# Altium PCB radxa_cm4_io_v1.10.PcbDoc (part 3 of 8)
Units mil, origin at the board's own origin, x right, y up, seen from the top; angles counter-clockwise.
Board outline 6299.62 x 3544.12 mil, 4 copper layers (Top, GND, Power, Bottom), stack 35.4 mil thick; 509 components, 417 nets, 1867 pads, 2150 vias.
Unrouted connection lines stored in the file: 1451.
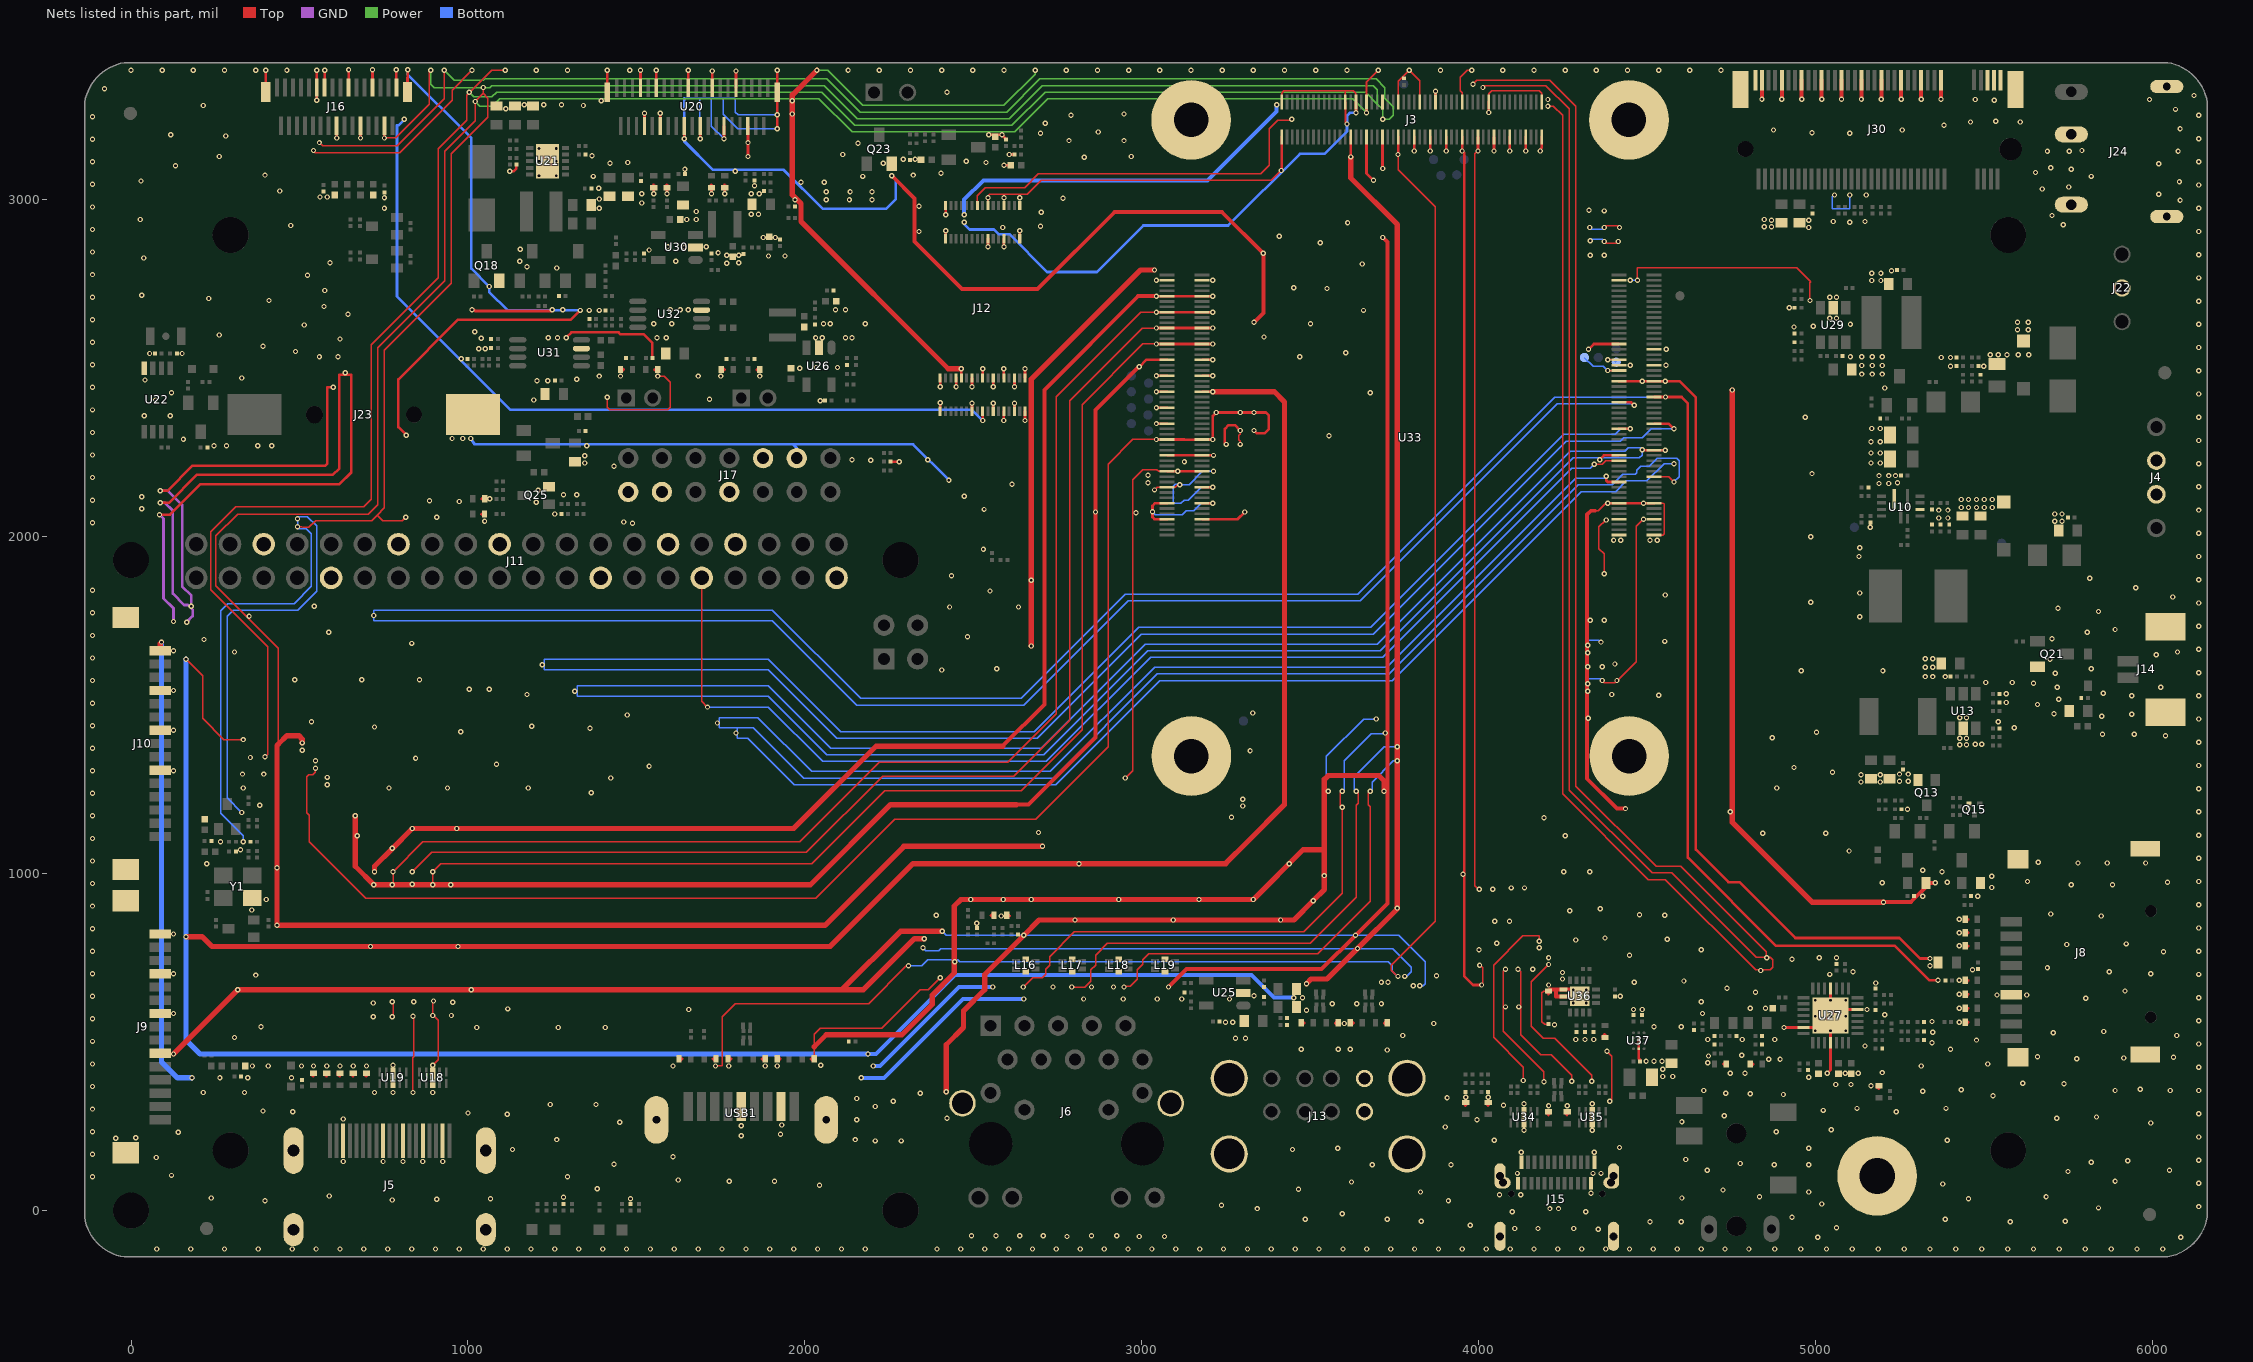
[diagram p5: the nets of this part, all layers, seen from the top]

## Via types
v1: diameter 15.75, hole 7.87, Top to Bottom, 2047 vias
v2: diameter 19.68, hole 11.81, Top to Bottom, 103 vias

## Nets (pads, with @x,y where several pads share a name; then routed paths per layer and width w, separated by ;. In a path a pad name is that pad's centre, name@x,y a point inside that pad or via, vN(x,y) a via of type N, cw(c..) or ccw(c..) an arc to the next point about the centre after c; other vN are vias at no path point) (continued)
GND: C1.2 C78.2 C79.2 C83.2 C84.2 C89.2 C90.2 C106.2 C107.2 C144.2 C146.2 C148.2 C150.2 C151.2 C153.2 C154.2 C156.2 C157.2 C158.2 C159.2 C161.1 C162.2 C163.2 C164.2 C167.2 C168.2 C169.1 C170.2 C171.2 C172.2 C174.2 C175.2 C176.2 C177.2 C178.2 C179.2 C180.1 C182.2 C183.2 C184.2 C185.2 C186.2 C187.1 C188.2 C189.1 C190.2 C191.2 C192.2 C193.2 C194.2 C195.2 C196.2 C197.2 C198.2 C199.2 C200.2 C202.2 C203.2 C206.2 C207.2 C208.2 C209.2 C211.2 C212.2 C213.2 C214.2 C215.2 C216.2 C218.2 C219.2 C220.2 C223.2 C224.2 C225.2 C226.2 C227.2 C229.2 C230.2 C231.2 C232.2 C233.2 C234.2 C235.2 C236.2 C237.2 C238.2 C239.2 C240.2 C241.2 C243.2 C244.2 C245.2 C246.2 C255.2 C256.2 C257.2 C258.2 C269.2 C270.2 C271.2 C272.2 C273.2 C274.2 C277.2 C279.2 C280.2 C281.2 C282.2 C283.1 C284.1 C285.2 C287.2 C288.2 C290.1 C291.1 C292.2 C294.2 C295.2 C297.2 C298.2 D1.1 D2.2 D3.2 D5.1 D7.2 D9.2 D10.2 D11.2 D12.2 D14.2 D15.2 D16.2 D17.1 D18.1 D19.1 D20.1 D21.1 D22.1 D23.1 D25.2 D26.2 D27.2 D28.2 D31.2 D32.2 D33.1 D34.1 D35.1 D36.1 D37.1 D38.1 D39.1 D40.1 D41.1 D42.1 D43.1 D44.1 D45.1 D46.1 D47.1 D48.1 D49.1 D50.1 D51.1 D52.1 HOLE2.1 J3.1 J3.2 J3.8 J3.14 J3.20 J3.21 J3.26 J3.31 J3.32 J3.38 J3.41 J3.44 J3.47 J3.50 J3.55 J3.56 J3.61 J3.62 J3.67 J3.68 J3.71 J3.74 J3.75 J3.99 J3.100 J4.2 J4.3 J5.2 J5.5 J5.8 J5.11 J5.17 J5.20 J5.21 J5.22 J5.23 J6.19 J6.20 J8.6 J8.10 J8.11 J8.12 J8.13 J9.6 J9.9 J9.12 J9.15 J9.16 J9.17 J10.6 J10.9 J10.12 J10.15 J10.16 J10.17 J11.6 J11.9 J11.14 J11.20 J11.25 J11.30 J11.34 J11.39 J12.1 J12.3 J12.5 J12.7 J12.9 J12.11 J12.13 J12.14 J12.17 J12.18 J12.24 J12.26 J12.28 J12.30 J12.32 J12.34 J12.35 J12.38 J12.41 J12.43 J12.49 J12.50 J12.58 J12.61 J12.64 J13.4 J13.8 J13.9 J13.10 J13.11 J13.12 J14.3 J14.4 J15.A1 J15.A12 J15.B1 J15.B12 J15.E1 J15.E2 J15.E3 J15.E4 J15.E5 J15.E6 J16.1 J16.4 J16.7 J16.10 J16.13 J16.16 J16.19 J16.21 J16.32 J16.33 J17.1 J17.3 J17.7 J17.10 J17.12 J22.2 J23.2 J24.2 J24.3 J24.4 J24.5 J30.1 J30.3 J30.9 J30.15 J30.21 J30.27 J30.33 J30.39 J30.45 J30.51 J30.57 J30.71 J30.73 J30.75 J30.G1 J30.G2 L16.5 L16.6 L17.5 L17.6 L18.5 L18.6 L19.5 L19.6 Q13.2 Q15.2 Q18.2 Q21.2 Q23.2 Q25.2 R4.2 R6.1 R27.1 R72.2 R177.1 R179.1 R201.1 R202.2 R205.2 R210.2 R217.2 R223.2 R226.2 R236.1 R239.1 R243.1 R244.2 R245.2 R251.2 R253.2 R280.2 R281.2 R286.1 R290.2 R298.1 R315.2 R316.2 R317.2 R318.2 R319.2 R330.2 R332.2 R333.2 R340.2 R341.2 R353.2 R354.2 R355.2 R359.2 U10.2 U10.10 U13.2 U18.3 U18.8 U19.3 U19.8 U20.6 U20.9 U20.12 U20.15 U20.18 U20.21 U20.22 U20.28 U20.29 U20.32 U20.33 U20.40 U20.41 U21.11 U22.4 U25.2 U26.2 U27.4 U27.13 U27.18 U27.26 U27.29 U29.2 U30.2 U31.7 U32.7 U33.1 U33.2 U33.7 U33.8 U33.13 U33.14 U33.22 U33.23 U33.32 U33.33 U33.42 U33.43 U33.52 U33.53 U33.59 U33.60 U33.65 U33.66 U33.71 U33.74 U33.98 U33.107 U33.108 U33.113 U33.114 U33.119 U33.120 U33.125 U33.126 U33.131 U33.132 U33.137 U33.138 U33.144 U33.150 U33.155 U33.156 U33.161 U33.162 U33.167 U33.168 U33.173 U33.174 U33.179 U33.180 U33.185 U33.186 U33.191 U33.192 U33.197 U33.198 U33.201 U33.202 U33.203 U33.204 U34.3 U34.8 U35.3 U35.8 U36.8 U36.9 U36.15 U37.A2 U37.B2 U37.C2 USB1.4 USB1.7 USB1.10 USB1.11 Y1.2 | length 175701.2
  Top w3.94: v1(163.39,1635.83) 212.6,1586.61 212.6,1460.63 275.59,1397.64 v1(332.68,1397.64) ; v1(397.64,1346.46) 405.51,1354.33 405.51,1673.23 236.22,1842.52 236.22,2013.78 311.02,2088.58 690.94,2088.58 712.6,2110.24 712.6,2568.9 911.42,2767.72 911.42,3151.57 996.06,3236.22 996.06,3309.06 1070.87,3383.86 v1(1110.24,3383.86) ; 437.01,1383.86 437.01,1669.29 251.97,1854.33 251.97,2001.97 316.93,2066.93 704.05,2066.93 732.28,2095.16 732.28,2561.02 931.1,2759.84 931.1,3143.7 1021.65,3234.25 v1(1021.65,3291.34) 1045.28,3314.96 ; v1(494.09,2029.53) 506.99,2029.53 508.96,2027.56 527.99,2027.56 547.68,2047.24 713.89,2047.24 730.64,2063.99 ; v1(541.34,3145.67) 547.24,3139.76 797.24,3139.76 952.76,3295.28 952.76,3324.8 v1(1011.81,3383.86) ; v1(547.24,1312.99) 547.24,1301.18 539.37,1293.31 527.56,1293.31 521.65,1287.4 521.65,1181.1 529.53,1173.23 529.53,1094.49 696.85,927.17 2031.5,927.17 2265.75,1161.42 2685.04,1161.42 2899.61,1375.98 2899.61,2214.57 2973.23,2288.19 v1(3042.91,2288.19) v1@3043.31,2288.19 ; v1(559.06,3169.29) 568.9,3159.45 789.37,3159.45 929.13,3299.21 v1(929.13,3383.86) ; v1(751.97,3183.07) 785.43,3183.07 884.84,3282.48 884.84,3383.86 v1(889.76,3383.86) ; v1(775.59,574.8) 777.56,576.77 777.56,618.11 v1(775.59,620.08) ; v1@777.56,966.54 v1(777.56,1005.91) 866.14,1094.49 1984.25,1094.49 2220.47,1330.71 2602.36,1330.71 2746.06,1474.41 2746.06,2415.35 2996.85,2666.14 v1(3042.91,2666.14) ; v1(814.96,2057.09) 805.12,2047.24 747.38,2047.24 730.64,2063.99 ; v1(834.65,1005.91) 891.73,1062.99 2003.94,1062.99 2230.32,1289.37 2620.08,1289.37 2785.43,1454.72 2785.43,2403.54 3000.79,2618.9 v1(3042.91,2618.9) ; v1(836.61,350.39) 836.61,454.72 838.58,454.72 838.58,574.8 v1(836.61,576.77) ; v1(895.67,431.1) 911.42,446.85 911.42,564.96 895.67,580.71 895.67,622.05 v1(897.64,622.05) ; v1(895.67,966.54) v1(895.67,1005.91) 919.29,1029.53 2019.68,1029.53 2236.22,1246.06 2641.73,1246.06 2822.83,1427.17 2822.83,2391.73 3002.76,2571.65 v1(3042.91,2571.65) ; v1(1045.28,3332.68) 1045.28,3314.96 ; v1(1413.39,2413.39) 1413.39,2383.86 1421.26,2375.98 1592.52,2375.98 1600.39,2383.86 1600.39,2458.66 1582.68,2476.38 v1(1562.99,2476.38) ; v1(1734.25,429.13) 1753.94,429.13 1753.94,574.8 1793.31,614.17 2188.98,614.17 2301.18,726.38 v1(2307.09,726.38) ; D40.1@2027.56,450.79 2027.56,486.22 2027.56,523.62 2045.28,541.34 2228.35,541.34 2342.52,655.51 2366.14,655.51 v1(2401.57,690.94) ; J12.43@2511.42,2982.28 2511.42,3011.81 2535.04,3035.43 2651.57,3035.43 2692.91,3076.77 3352.36,3076.77 3377.95,3102.36 3377.95,3210.63 3403.54,3236.22 3442.91,3236.22 3448.82,3236.22 v1(3444.88,3238.19) ; J12.41@2542.91,2982.28 2542.91,3009.84 2548.82,3015.75 2659.45,3015.75 2700.79,3057.09 3383.86,3057.09 v1(3413.39,3086.61) ; v1(2647.64,663.39) 2675.2,690.94 2704.72,690.94 2714.57,700.79 2714.57,716.54 2726.38,728.35 2726.38,753.94 2799.21,826.77 3480.32,826.77 3594.49,940.94 v1(3594.49,1196.85) 3588.58,1202.76 3588.58,1238.19 v1(3594.49,1244.09) ; v1(2791.34,663.39) 2830.71,663.39 2848.43,681.1 2848.43,714.57 2862.2,728.35 2862.2,757.87 2897.64,793.31 3500,793.31 3635.83,929.13 3635.83,1202.76 3641.73,1208.66 3641.73,1238.19 v1(3635.83,1244.09) ; v1(2946.85,663.39) 2948.82,665.35 2964.57,665.35 2986.22,687.01 2986.22,714.57 3001.97,730.32 3001.97,744.09 3019.68,761.81 3521.65,761.81 3677.17,917.32 3677.17,1198.82 3671.26,1204.72 3671.26,1238.19 v1(3677.17,1244.09) ; v1(2950.79,1283.46) 2972.44,1305.12 2972.44,2169.29 3001.97,2198.82 3044.09,2198.82 3049.21,2193.7 U33.126@3074.8,2193.7 ; v1(3037.4,2138.58) 3045.28,2146.46 U33.120@3074.8,2146.46 3098.43,2146.46 3106.3,2154.33 v1(3112.2,2154.33) ; v1@3208.27,2099.21 v1(3210.24,2099.21) ; v1(3291.34,2273.62) 3291.34,2283.46 3287.4,2287.4 3287.4,2300.1 3291.34,2304.03 v1(3291.34,2314.96) ; J3.100@3414.57,3181.9 J3.100@3414.57,3185.83 ; J3.99@3414.57,3289.77 3414.57,3302 3414.57,3316.14 3421.26,3322.83 3603.54,3322.83 ; J3.75@3603.55,3289 J3.75@3603.55,3289.77 3603.54,3322.83 ; J3.74@3619.3,3178.4 J3.74@3619.3,3185.83 ; J3.71@3635.04,3288.2 J3.71@3635.04,3289.77 3635.04,3314.96 3627.17,3322.83 3603.54,3322.83 ; J3.68@3666.54,3176.6 J3.68@3666.54,3185.83 ; J3.67@3666.54,3289.2 J3.67@3666.54,3289.77 ; J3.62@3713.78,3179.6 J3.62@3713.78,3185.83 ; v1(3759.84,694.88) 3757.87,694.88 3740.16,712.6 3740.16,728.35 3870.08,858.27 3870.08,2978.35 3759.84,3088.58 v1(3759.84,3133.86) ; J3.55@3761.02,3290.3 3761.02,3351.57 v1(3793.31,3383.86) 3824.02,3353.15 3824.02,3304.6 J3.47@3824.02,3289.77 ; J3.56@3761.03,3182.4 J3.56@3761.03,3185.83 ; J3.55@3761.03,3289.77 J3.55@3761.03,3290.3 ; J3.50@3808.27,3179.3 J3.50@3808.27,3185.83 ; J3.44@3855.52,3179.8 J3.44@3855.52,3185.83 ; J3.41@3871.26,3289.77 J3.41@3871.26,3299 ; J3.38@3902.76,3178.1 J3.38@3902.76,3185.83 ; J3.32@3950,3178.6 J3.32@3950,3185.83 ; v1(3978.35,3383.86) 3964.96,3383.86 3944.09,3362.99 3944.09,3323.62 3950,3317.72 J3.31@3950,3299.8 ; v1(3982.28,3342.52) 3994.09,3354.33 4210.63,3354.33 4287.4,3277.56 4287.4,1259.84 4525.59,1021.65 4598.43,1021.65 4852.36,767.72 v1@4852.36,751.97 ; v1(3997.24,3144.49) 3988.19,3135.43 3988.19,964.57 3998.03,954.72 4000,954.72 v1(4001.18,953.54) ; J3.26@3997.25,3179.3 J3.26@3997.25,3185.83 ; v1(4001.97,728.35) 4003.94,728.35 4011.81,720.47 4011.81,673.23 v1(4007.87,669.29) ; v1(4011.81,3332.68) 4017.72,3338.58 4198.82,3338.58 4267.72,3269.69 4267.72,1248.03 4513.78,1001.97 4572.83,1001.97 4822.83,751.97 v1@4852.36,751.97 ; J3.21@4028.74,3279.6 J3.21@4028.74,3289.77 4028.74,3314.17 4037.4,3322.83 4179.13,3322.83 4186.22,3315.75 4186.22,3298.5 J3.1@4186.22,3289.77 ; J3.20@4044.49,3178 J3.20@4044.49,3185.83 ; v1(4078.74,716.54) 4072.83,710.63 4072.83,531.5 4192.91,411.42 v1(4192.91,381.89) ; J3.14@4091.74,3179.6 J3.14@4091.74,3185.83 ; v1(4116.14,716.54) 4124.02,708.66 4124.02,521.65 4183.07,462.6 4214.57,462.6 4275.59,401.57 v1(4275.59,383.86) ; v1(4131.89,385.83) 4131.89,425.2 4043.31,513.78 4043.31,728.35 4129.92,814.96 4179.13,814.96 v1(4179.13,799.21) ; J3.8@4138.98,3176.9 J3.8@4138.98,3185.83 ; v1(4204.72,3277.56) 4220.47,3277.56 4248.03,3250 4248.03,1236.22 4501.97,982.28 4553.15,982.28 4820.87,714.57 4864.17,714.57 4872.05,722.44 4872.05,744.09 4864.17,751.97 v1@4852.36,751.97 ; C257.2@4206.69,553.15 4194.88,553.15 4187.01,561.02 4187.01,645.67 4192.91,651.57 D47.1@4206.69,651.57 ; v1(4206.69,730.32) 4155.51,679.13 4155.51,547.24 4190.94,511.81 4224.41,511.81 4334.65,401.57 v1(4334.65,383.86) ; 4344.49,2076.77 4354.33,2076.77 4376.77,2099.21 v1(4381.89,2099.21) ; v1(4366.14,1572.83) 4372.05,1566.93 4403.54,1566.93 v1(4409.45,1572.83) 4411.42,1574.8 4413.39,1574.8 4466.54,1627.95 4466.54,2030.32 v1(4488.19,2051.97) ; v1(4372.05,1889.76) 4372.05,1948.82 4356.3,1964.57 4356.3,2029.53 4375.98,2049.21 v1(4377.95,2049.21) ; v1(4372.05,2875.98) 4377.95,2870.08 4407.48,2870.08 v1(4413.39,2875.98) ; v1(4372.05,2917.32) 4377.95,2923.23 4411.42,2923.23 v1(4417.32,2917.32) ; v1(4379.92,472.44) 4393.7,458.66 4393.7,330.71 v1(4387.8,324.8) ; v1(4470.47,2760.63) 4470.47,2797.24 4942.91,2797.24 4984.25,2755.91 4982.28,2753.94 v1(4982.28,2700.79) ; U33.1@4520.08,2004.72 4546.06,2004.72 4549.21,2007.87 4549.21,2097.24 4547.24,2099.21 U33.13@4520.08,2099.21 ; U33.23@4520.08,2177.95 4562.99,2177.95 v1(4578.74,2162.2) ; v1(4854.33,750) v1@4852.36,751.97 ; 730.64,2063.99 751.97,2085.32 751.97,2553.15 950.79,2751.97 950.79,3135.83 1059.06,3244.09 1059.06,3301.18 1045.28,3314.96 ; J3.31@3950,3299.8 J3.31@3950,3289.77 J3.31@3950,3299.8
  Top w5.91: J3.75@3603.55,3289.77 3603.54,3289 3603.54,3229.13 v1(3608.27,3224.41) ; J3.67@3666.54,3289.77 3666.54,3349.61 v1(3700.79,3383.86)
  Top w7.87: v1(84.65,2064.96) 116.14,2064.96 206.69,2155.51 618.11,2155.51 653.54,2190.94 653.54,2480.32 618.11,2480.32 618.11,2202.76 598.43,2183.07 194.88,2183.07 112.2,2100.39 v1(86.61,2100.39) ; v1(86.61,2135.83) 108.27,2135.83 183.07,2210.63 576.77,2210.63 582.68,2216.54 582.68,2442.91 v1(600.39,2442.91) ; v1(399.61,3383.86) 399.61,3362.7 400,3362.31 J16.32@400,3319.5 ; v1(551.18,3295.28) 551.18,3311.58 J16.21@551.18,3332.68 551.18,3368.11 v1(551.18,3383.86) ; J16.19@574.8,3332.68 574.8,3368.11 v1(574.8,3383.86) ; v1(610.24,3183.07) J16.16@610.23,3219.5 ; J16.13@645.67,3332.68 645.67,3368.11 v1(645.67,3385.83) ; v1(681.1,3183.07) 681.1,3198.4 J16.10@681.1,3219.5 ; J16.7@716.53,3332.68 716.53,3368.11 v1(716.54,3385.83) ; v1(751.97,3183.07) J16.4@751.97,3219.5 ; J16.1@787.4,3332.68 v1(787.4,3385.83) ; v1(816.93,2301.18) 793.31,2324.8 793.31,2466.54 970.47,2643.7 1305.12,2643.7 v1(1332.68,2671.26) ; J16.33@820.47,3319.5 820.47,3362.31 820.87,3362.7 v1(820.87,3385.83) ; v1(1011.81,2673.23) 1017.72,2673.23 1021.65,2669.29 1246.06,2669.29 v1(1250,2673.23) ; v1(1124.02,3084.65) 1135.83,3084.65 1143.7,3092.52 C180.1@1143.7,3104.33 ; v1(1291.34,2590.55) 1307.09,2606.3 1446.85,2606.3 1452.76,2600.39 1521.65,2600.39 1547.24,2574.8 C288.2@1547.24,2529.53 ; U20.40@1413.39,3318.71 v1(1413.39,3383.86) ; U20.33@1511.81,3331.89 v1(1511.81,3383.86) ; U20.32@1523.62,3218.71 v1(1523.62,3255.91) ; v1(1551.18,3017.72) D26.2@1551.18,3035.43 ; U20.29@1559.06,3331.89 v1(1559.06,3383.86) ; U20.28@1570.87,3218.71 v1(1570.87,3255.91) ; v1(1590.55,3017.72) D27.2@1590.55,3035.43 ; v1(1641.73,3181.1) U20.22@1641.73,3218.71 ; U20.21@1653.54,3331.89 v1(1653.54,3383.86) ; v1(1688.98,3181.1) U20.18@1688.98,3218.71 ; v1(1722.44,3017.72) D25.2@1722.44,3035.43 ; U20.15@1724.41,3331.89 v1(1724.41,3381.89) ; v1(1759.84,3181.1) U20.12@1759.84,3218.71 ; v1(1761.81,3017.72) D28.2@1761.81,3035.43 ; U20.9@1795.28,3331.89 v1(1795.28,3381.89) ; v1(1830.71,3127.95) v1(1830.71,3169.29) U20.6@1830.71,3218.71 ; v1(1917.32,3210.63) v1(1917.32,3251.97) U20.41@1917.32,3318.71 v1(1917.32,3383.86) ; R223.2@2253.94,2222.44 v1(2279.53,2222.44) ; J12.18@2401.18,2372.05 v1(2401.18,2397.64) ; v1(2401.18,2444.88) J12.17@2401.18,2470.47 ; J12.50@2416.93,2883.86 2417.32,2883.86 v1(2417.32,2907.48) ; J12.49@2416.93,2982.28 2417.32,2982.28 v1(2417.32,2954.72) ; v1(2448.43,2444.88) J12.14@2448.43,2470.47 ; J12.13@2464.17,2470.47 v1(2464.17,2498.03) ; J12.24@2495.67,2372.05 v1(2495.67,2395.67) ; v1(2495.67,2444.88) J12.11@2495.67,2470.47 ; v1(2527.17,2344.49) J12.26@2527.17,2372.05 ; J12.9@2527.17,2470.47 v1(2527.17,2498.03) ; J12.58@2542.91,2883.86 2542.91,2860.63 v1(2543.31,2860.24) ; v1(2545.28,3192.91) C209.2@2564.96,3192.91 ; J12.28@2558.66,2372.05 v1(2558.66,2395.67) ; v1(2558.66,2444.88) J12.7@2558.66,2470.47 ; C209.2@2564.96,3187.01 C209.2@2564.96,3192.91 ; v1(2590.16,2344.49) J12.30@2590.16,2372.05 ; J12.5@2590.16,2470.47 v1(2590.16,2498.03) ; J12.61@2590.16,2883.86 2590.16,2860.63 v1(2590.55,2860.24) ; v1(2590.55,3102.36) C229.2@2610.24,3102.36 ; C226.2@2596.46,3179.13 2594.49,3179.13 2594.49,3181.1 v1(2584.65,3192.91) C209.2@2564.96,3192.91 ; v1(2606.3,3133.86) C230.2@2622.05,3133.86 ; J12.32@2621.65,2372.05 v1(2621.65,2395.67) ; v1(2621.65,2444.88) J12.3@2621.65,2470.47 ; J12.64@2637.4,2883.86 2637.4,2907.09 v1(2637.8,2907.48) ; v1(2653.15,2344.49) J12.34@2653.15,2372.05 ; J12.1@2653.15,2470.47 v1(2653.15,2498.03) ; v1(2992.13,2503.94) 3012.6,2524.41 U33.168@3074.8,2524.41 ; v1(3042.91,2335.43) U33.144@3074.8,2335.43 ; v1(3042.91,2382.68) U33.150@3074.8,2382.68 ; v1(3042.91,2429.92) U33.156@3074.8,2429.92 ; v1(3042.91,2477.17) U33.162@3074.8,2477.17 ; v1(3042.91,2571.65) v1(3210.24,2571.65) ; v1(3042.91,2666.14) v1(3210.24,2666.14) ; v1(3042.91,2713.39) v1(3210.24,2713.39) ; v1@3043.31,2288.19 3126.19,2288.19 3126.98,2287.4 3162.31,2287.4 3163.1,2288.19 U33.137@3178.74,2288.19 v1(3210.24,2288.19) 3210.24,2357.87 v1(3220.47,2368.11) v1(3291.34,2368.11) v1(3332.68,2368.11) 3368.11,2368.11 3375.98,2360.24 3375.98,2318.28 3364.79,2307.09 3340.55,2307.09 v1(3332.68,2314.96) ; U33.108@3074.8,2051.97 3037.01,2051.97 3031.1,2057.87 3031.1,2091.34 3038.98,2099.21 U33.114@3074.8,2099.21 ; U33.126@3074.8,2193.7 U33.125@3178.74,2193.7 ; U33.132@3074.8,2240.94 v1(3212.2,2240.94) ; U33.107@3178.74,2051.97 3284.25,2051.97 v1(3305.12,2072.83) ; U33.113@3178.74,2099.21 v1@3208.27,2099.21 ; U33.119@3178.74,2146.46 v1(3210.24,2146.46) ; U33.155@3178.74,2429.92 v1(3210.24,2429.92) ; U33.161@3178.74,2477.17 v1(3210.24,2477.17) ; U33.167@3178.74,2524.41 v1(3210.24,2524.41) ; v1(3250,2273.62) 3246.06,2277.56 3246.06,2319.52 3257.26,2330.71 3275.59,2330.71 v1(3291.34,2314.96) ; v1(3413.39,3086.61) 3414.57,3087.8 3414.57,3181.9 J3.100@3414.57,3185.83 ; v1@3442.91,3236.22 v1(3444.88,3238.19) ; v1(3619.29,3126.77) 3619.29,3178.4 J3.74@3619.3,3185.83 ; v1(3635.04,3258.27) 3635.04,3288.2 J3.71@3635.04,3289.77 ; J3.68@3666.54,3185.83 3666.54,3176.6 3666.54,3077.56 v1(3687.01,3057.09) ; v1(3666.54,3258.27) 3666.54,3289.2 J3.67@3666.54,3289.77 ; J3.62@3713.78,3185.83 3713.78,3179.6 3713.78,3093.31 v1(3714.57,3092.52) ; v1(3759.84,3133.86) 3761.02,3135.04 3761.02,3182.4 J3.56@3761.03,3185.83 ; v1(3808.27,3144.49) 3808.27,3179.3 J3.50@3808.27,3185.83 ; v1(3855.51,3144.49) 3855.51,3179.8 J3.44@3855.52,3185.83 ; J3.41@3871.26,3289.77 3871.26,3299 v1(3871.26,3321.65) ; v1(3902.76,3144.49) 3902.76,3178.1 J3.38@3902.76,3185.83 ; J3.32@3950,3185.83 3950,3178.6 v1(3950,3144.49) 3956.69,3137.8 3956.69,694.88 3982.28,669.29 v1(4007.87,669.29) ; v1(3997.24,3144.49) 3997.24,3179.3 J3.26@3997.25,3185.83 ; v1(4028.74,3258.66) 4028.74,3279.6 J3.21@4028.74,3289.77 ; v1(4044.49,3144.49) 4044.49,3178 J3.20@4044.49,3185.83 ; v1(4091.73,3144.49) 4091.73,3179.6 J3.14@4091.74,3185.83 ; v1(4138.98,3144.49) 4138.98,3176.9 J3.8@4138.98,3185.83 ; v1(4182.28,3144.49) 4182.28,3149.61 4186.22,3153.54 J3.2@4186.22,3185.83 ; v1(4325.2,2555.91) 4340.94,2571.65 U33.74@4415.35,2571.65 ; v1(4358.27,2228.35) 4370.87,2240.94 U33.32@4415.35,2240.94 ; v1(4377.95,2179.13) 4377.95,2166.14 4381.89,2162.2 U33.22@4415.35,2162.2 ; v1(4381.89,2099.21) U33.13@4520.08,2099.21 ; U33.42@4415.35,2319.69 v1(4448.82,2319.69) ; U33.52@4415.35,2398.43 4451.97,2398.43 v1(4460.63,2389.76) ; U33.60@4415.35,2461.42 4531.5,2461.42 U33.59@4520.08,2461.42 v1(4553.15,2461.42) 4594.49,2461.42 4643.7,2412.2 4643.7,1070.87 4740.16,974.41 4773.62,974.41 4938.98,809.06 5248.03,809.06 5309.06,748.03 v1(5338.58,748.03) ; U37.C2@4474.41,511.81 4474.41,450.79 4478.35,446.85 R353.2@4478.35,442.91 ; v1(4484.25,2257.87) 4485.43,2256.69 U33.33@4520.08,2256.69 v1(4553.15,2256.69) ; U33.43@4520.08,2335.43 4562.99,2335.43 v1(4578.74,2319.69) ; U33.53@4520.08,2414.17 4601.57,2414.17 4620.08,2395.67 4620.08,1047.24 4881.89,785.43 5234.25,785.43 5336.61,683.07 v1(5362.2,683.07) ; v1(4905.51,543.31) U27.13@4962.6,543.31 ; v1(5033.46,407.48) 5043.31,417.32 U27.18@5043.31,498.03 ; v1(3042.91,2618.9) v1(3210.24,2618.9) U33.179@3178.74,2618.9 U33.180@3074.8,2618.9 v1(3042.91,2618.9)
  Top w9.84: U27.13@4962.6,543.31 5043.31,543.31 v1(5043.31,576.77) U27.29@5043.31,578.74 ; U27.18@5043.31,498.03 U27.29@5043.31,578.74 ; U27.4@5043.31,659.45 5043.31,635.83 ; U27.26@5124.02,596.46 5043.31,596.46 5043.31,635.83 ; U27.29@5043.31,578.74 5043.31,635.83
  Top w11.81: v1(2257.87,3070.87) 2324.8,3003.94 2324.8,2875.98 2466.54,2734.25 2689.55,2734.25 2917.9,2962.6 3238.19,2962.6 v1(3360.24,2840.55) 3360.24,2663.39 v1(3332.68,2635.83) ; 2586.61,1377.95 2710.63,1501.97 2710.63,2435.04 2988.98,2713.39 v1(3042.91,2713.39) ; 2627.95,1204.72 2663.39,1204.72 2862.2,1403.54 v1(2862.2,2072.83) 2862.2,2375.98 2990.16,2503.94 v1(2992.13,2503.94) ; v1(3078.74,663.39) 3131.89,716.54 3533.46,716.54 v1(3633.86,816.93) 3728.35,911.42 3728.35,2874.02 v1(3714.57,2887.8) ; D47.1@4206.69,651.57 4210.63,655.51 4228.35,655.51 ; v1(4279.53,616.14) 4279.53,635.83 U36.9@4251.57,635.83 4228.35,635.83 4228.35,655.51 ; v1(4318.9,655.51) U36.8@4251.57,655.51 4228.35,655.51 ; 4344.49,2076.77 4332.68,2076.77 4320.87,2064.96 4320.87,1281.5 4409.45,1192.91 v1(4435.04,1192.91) ; v1(4839.76,3297.44) J30.3@4839.76,3354.53 ; v1(4898.82,3297.44) J30.9@4898.82,3354.53 ; v1(4957.87,3297.44) J30.15@4957.87,3354.53 ; v1(5016.93,3297.44) J30.21@5016.93,3354.53 ; v1(5075.98,3297.44) J30.27@5075.98,3354.53 ; v1(5135.04,3297.44) J30.33@5135.04,3354.53 ; v1(5194.09,3297.44) J30.39@5194.1,3354.53 ; v1(5200.79,915.35) 5281.5,915.35 5338.58,972.44 v1(5354.33,972.44) ; v1(5253.15,3297.44) J30.45@5253.15,3354.53 ; v1(5312.2,3297.44) J30.51@5312.21,3354.53 ; v1(5371.26,3297.44) J30.57@5371.26,3354.53